# Allegro board pc065a_toplevel_16_allplaced.brd (continued)
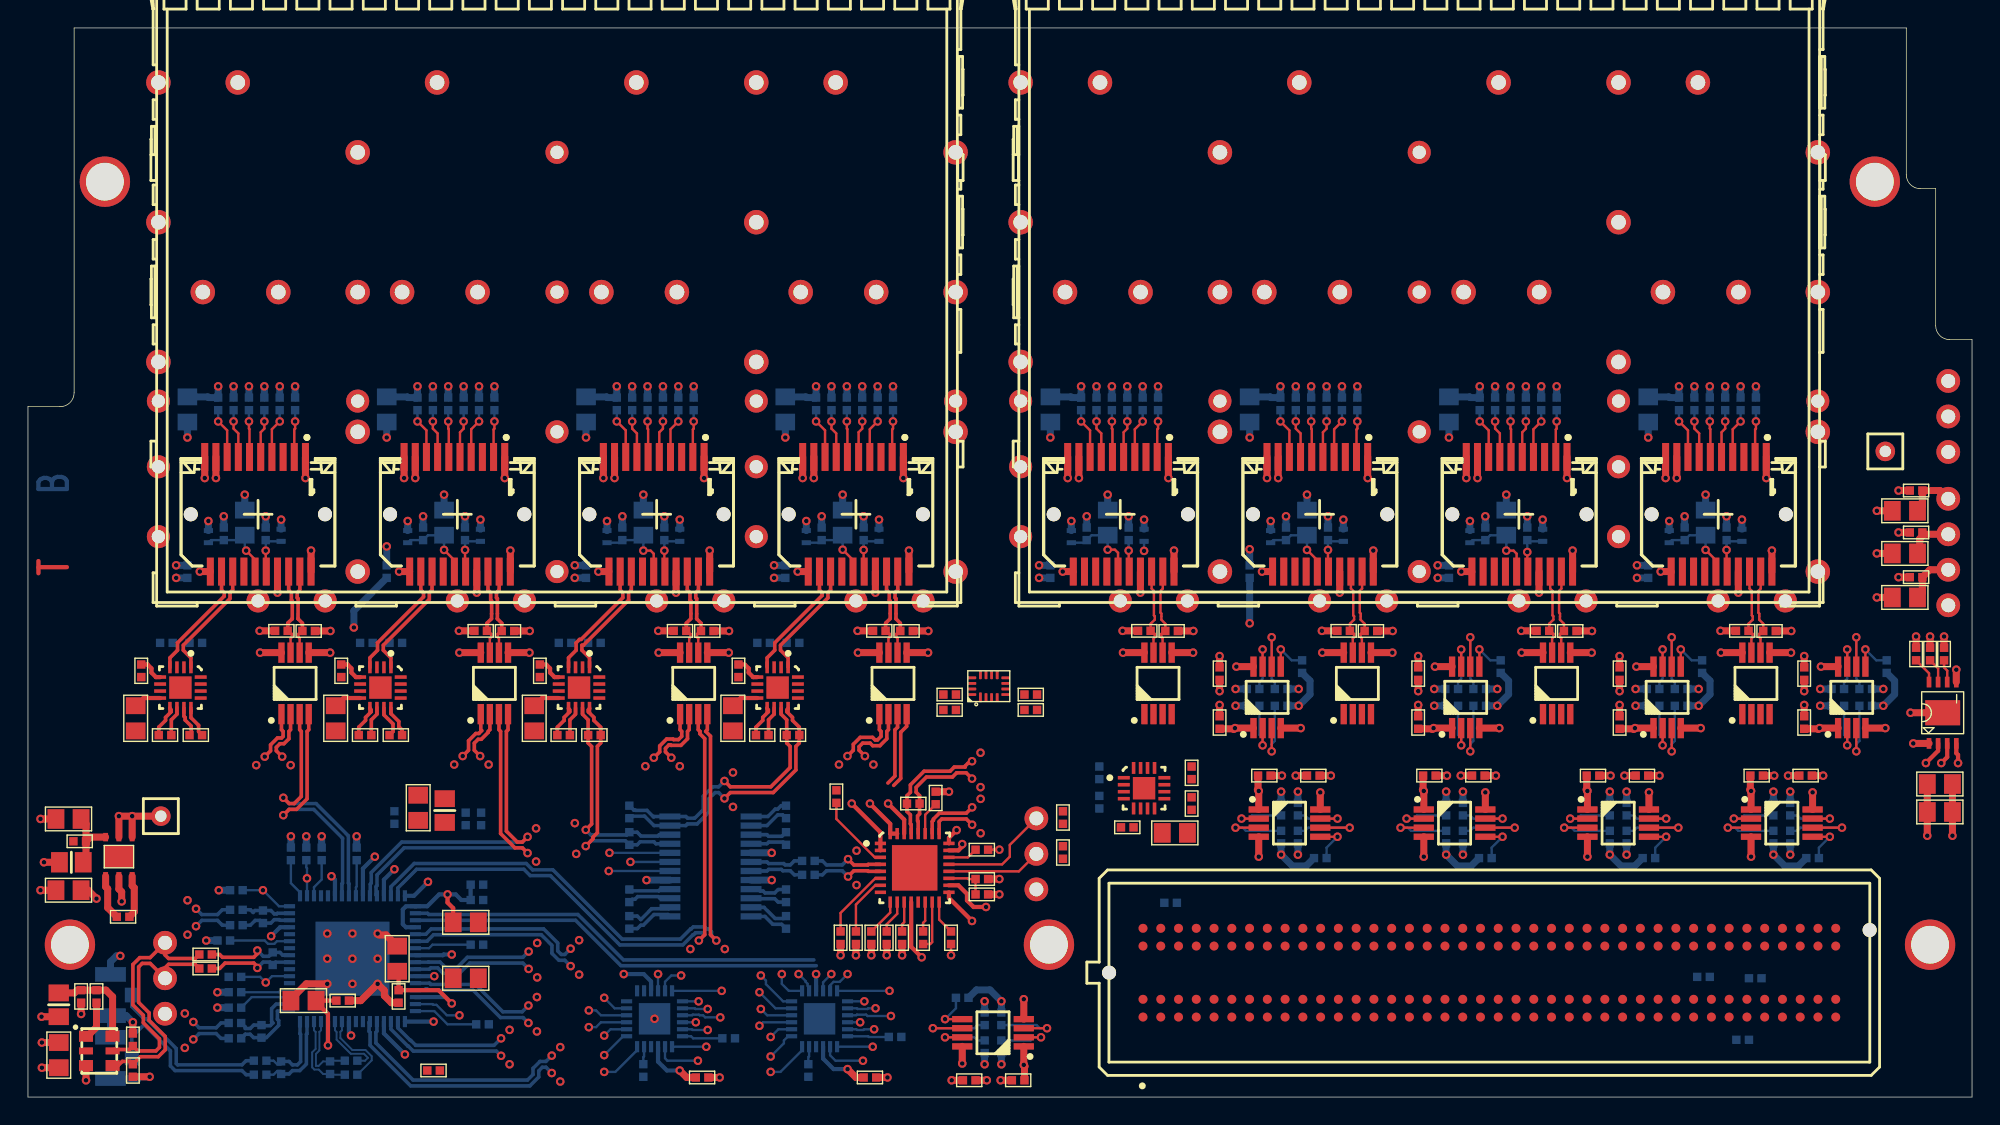
[diagram p0: board, top side]
## Routing (per net, layer and track width the routed paths; a pad name or vN(x,y) marks a point on that pad's centre or on a via; arc(x,y) is an arc through that point) (continued)
  BOTTOM w0.254: IC3.50 26.45,4.94 27.34,4.06 27.37,4.06 27.72,3.7 33.33,3.7 v1(33.83,4.2)
CLK_MAIN_N<8>: length 16.2
  BOTTOM w0.254: v1(37.45,2.97) 37.03,2.55 36.61,2.55 36.11,2.05 36.11,1.61 35.71,1.21 27.53,1.21 24.88,3.87 24.88,4.63 24.95,4.7 IC3.53
CLK_MAIN_P<0>: length 17.7
  TOP w0.254: U3.3 19.43,26.29 19.54,26.17 19.54,21.51 19.03,21 18.67,21 v1(18.26,21.42)
  BOTTOM w0.254: IC3.24 22.95,15.27 22.91,15.31 22.91,18.69 20.6,21 18.67,21 v1(18.26,21.42)
CLK_MAIN_P<1>: length 24.4
  TOP w0.254: v1(35.72,17.46) 35.35,17.83 34.82,17.83 33.79,18.86 33.79,26.17 33.67,26.29 U4.3
  BOTTOM w0.254: IC3.28 24.89,14.46 24.89,15.06 24.96,15.13 24.96,15.89 26.89,17.83 35.35,17.83 v1(35.72,17.46)
CLK_MAIN_P<2>: length 42.9
  TOP w0.254: 47.92,27.4 47.92,26.29 48.04,26.17 48.04,26.17 48.04,26 48.39,25.65 48.39,11.62 v1(47.97,11.2)
  BOTTOM w0.254: IC3.31 26.45,14.96 27.79,16.3 35.46,16.3 35.91,15.84 37.36,15.84 42.31,10.89 46.82,10.89 47.55,11.62 47.6,11.62 47.74,11.76 48.2,11.76 48.34,11.62 48.39,11.62 v1(47.97,11.2)
CLK_MAIN_P<3>: length 35.2
  TOP w0.254: U6.3 62.17,26.46 61.99,26.27 61.99,22.97 61.49,22.47
  BOTTOM w0.254: 56.36,9.4 42.4,9.4 39.15,12.65 IC3.35
CLK_MAIN_P<4>: length 12.6
  BOTTOM w0.254: v1(38.8,9.37) 38.38,9.79 37.96,9.79 37.46,10.28 37.46,10.85 36.7,11.62 29,11.62 28.54,11.15 IC3.38
CLK_MAIN_P<5>: length 8.8
  BOTTOM w0.254: IC3.42 28.71,9.15 28.8,9.24 29.3,9.24 29.68,8.86 30.86,8.86 31.59,9.59 35.38,9.59 v1(35.8,9.17)
CLK_MAIN_P<6>: length 9.1
  BOTTOM w0.254: v1(35.78,5.3) 35.4,5.69 33.79,5.69 31.83,7.64 28.63,7.64 28.54,7.74 28.44,7.74 28.35,7.65 IC3.45
CLK_MAIN_P<7>: length 9.2
  BOTTOM w0.254: IC3.51 25.95,4.86 27.17,3.64 27.2,3.64 27.55,3.29 33.49,3.29 v1(33.83,2.95)
CLK_MAIN_P<8>: length 16.9
  BOTTOM w0.254: v1(37.45,1.72) 37.03,2.13 36.78,2.13 36.52,1.88 36.52,1.44 35.89,0.8 27.36,0.8 24.46,3.7 24.46,4.63 24.39,4.7 24.39,5.34 IC3.54
CLK_RST_B: length 6
  BOTTOM w0.17: IC23.1 42.55,4.35 v1(41.2,3) ; IC3.6 17.45,8.65 v1(17,8.2) 16.6,8.6 R9.2
CLK_SI_N<0>: length 5.8
  BOTTOM w0.17: R13.2 18.1,2.37 18.07,2.34 17.83,2.34 17.56,2.6 C22.1
  BOTTOM w0.254: R13.2 18.66,2.55 18.91,2.31 19.27,2.31 19.49,2.53 19.49,4.49 19.45,4.54 IC3.64
CLK_SI_N<1>: length 5.2
  BOTTOM w0.254: IC3.2 17.75,6.65 17.42,6.32 17.42,5.39 17.51,5.3 17.32,5.11 16.74,5.11 R14.2 16.13,5.15 15.89,4.91 15.53,4.91 15.53,5.02 C24.1
CLK_SI_N<2>: length 3.6
  BOTTOM w0.254: IC3.15 17.84,13.15 17.79,13.11 17.61,13.11 17.37,13.35 R15.2 16.23,13.35 16.09,13.21 15.9,13.4 C26.1
CLK_SI_N<3>: length 6
  BOTTOM w0.14: IC3.62 20.45,4.78 20.57,4.66 20.57,3.45 20.32,3.2 20.32,2.12 20.48,1.96 20.79,1.96 21.1,1.65 R16.2 21.65,1.6 C28.1
CLK_SI_P<0>: length 6.5
  BOTTOM w0.17: C21.1 17.56,1.6 17.83,1.87 18.07,1.87 18.1,1.83 R13.1
  BOTTOM w0.254: R13.1 18.66,1.65 18.91,1.89 19.44,1.89 19.91,2.36 19.91,4.49 19.95,4.54 IC3.63
CLK_SI_P<1>: length 5.2
  BOTTOM w0.254: C23.1 15.53,4.48 15.53,4.49 15.89,4.49 16.13,4.25 R14.1 17.05,4.25 17.93,5.13 17.93,5.47 17.84,5.57 17.84,6.15 IC3.1
CLK_SI_P<2>: length 3.7
  BOTTOM w0.254: IC3.14 18.01,12.65 17.97,12.69 17.61,12.69 17.37,12.45 R15.1 16.71,12.54 16.61,12.64 16.25,12.64 15.9,12.3 C25.1
CLK_SI_P<3>: length 5.5
  BOTTOM w0.14: C27.1 21.65,2.6 R16.1 21.1,2.55 20.79,2.24 20.59,2.24 20.59,3.09 20.84,3.33 20.84,4.66 20.95,4.78 IC3.61
FMC_LA_N<1>: length 4.2
  TOP w0.17: IC14.2 v1(98.57,19.93)
  BOTTOM w0.17: v1(98.57,19.93) 99.09,19.93 99.31,20.15 R142.1
FMC_LA_N<2>: length 3.8
  TOP w0.254: v1(18.17,24.36) 17.76,24.77 17.76,25.03 18.01,25.28 18.3,25.28 18.66,25.64 18.66,26.17 18.77,26.29 U3.2
FMC_LA_N<3>: length 2.4
  TOP w0.254: R61.1 9.35,26.46 9.84,26.95 9.84,27.17 10.24,27.57 10.24,27.71 10.15,27.79 IC4.9
FMC_LA_N<4>: length 3.8
  TOP w0.254: 33.02,27.4 33.02,26.29 32.91,26.17 32.91,26.1 32.41,25.6 32.19,25.6 31.91,25.32 31.91,24.82 v1(32.33,24.4)
FMC_LA_N<5>: length 4.2
  TOP w0.17: IC16.2 v1(121.97,19.93)
  BOTTOM w0.17: R152.1 122.71,20.15 122.49,19.93 v1(121.97,19.93)
FMC_LA_N<6>: length 4.2
  TOP w0.17: IC12.2 v1(86.77,19.93)
  BOTTOM w0.17: v1(86.77,19.93) 87.29,19.93 87.51,20.15 R137.1
FMC_LA_N<7>: length 4.5
  TOP w0.254: v1(46,24.28) 45.58,24.7 45.58,24.95 45.84,25.21 45.94,25.21 45.98,25.16 46.68,25.16 47.16,25.64 47.16,26.17 47.27,26.29 U5.2
FMC_LA_N<9>: length 4.2
  TOP w0.17: IC18.2 v1(102.47,25.17)
  BOTTOM w0.17: R162.1 102.25,25.91 102.47,25.69 v1(102.47,25.17)
FMC_LA_N<10>: length 4.2
  TOP w0.17: IC15.2 v1(110.27,19.93)
  BOTTOM w0.17: R147.1 111.01,20.15 110.79,19.93 v1(110.27,19.93)
FMC_LA_N<11>: length 5
  TOP w0.254: v1(59.84,24.4) 59.42,24.82 59.42,25.07 59.68,25.32 60.22,25.32 60.4,25.14 60.91,25.14 61.41,25.64 61.41,26.17 61.52,26.29 U6.2
FMC_LA_N<13>: length 4.2
  TOP w0.17: IC20.2 v1(130.07,25.17)
  BOTTOM w0.17: R172.1 129.85,25.91 130.07,25.69 v1(130.07,25.17)
FMC_LA_N<14>: length 4.2
  TOP w0.17: 88.28,26.4 v1(88.28,25.17)
  BOTTOM w0.17: R157.1 88.05,25.91 88.28,25.69 v1(88.28,25.17)
FMC_LA_N<18>: length 4.2
  TOP w0.17: IC19.2 v1(116.88,25.17)
  BOTTOM w0.17: R167.1 116.65,25.91 116.88,25.69 v1(116.88,25.17)
FMC_LA_N<28>: length 2.4
  TOP w0.254: R65.1 23.65,26.46 24.14,26.95 24.14,27.17 24.54,27.57 24.54,27.71 24.45,27.79 IC5.9
FMC_LA_N<30>: length 2.4
  TOP w0.254: R69.1 37.85,26.46 38.34,26.95 38.34,27.17 38.74,27.57 38.74,27.71 38.65,27.79 IC6.9
FMC_LA_N<32>: length 2.4
  TOP w0.254: IC7.9 52.85,27.79 52.94,27.71 52.94,27.57 52.54,27.17 52.54,26.95 52.05,26.46 R73.1
FMC_LA_P<1>: length 5
  TOP w0.17: IC14.3 v1(98.14,19.27)
  BOTTOM w0.17: R141.1 98.88,19.05 98.66,19.27 v1(98.14,19.27)
FMC_LA_P<2>: length 3.8
  TOP w0.254: v1(16.93,24.36) 17.34,24.77 17.34,25.2 17.84,25.7 18.13,25.7 18.24,25.81 18.24,26.17 18.12,26.29 18.12,27.4
FMC_LA_P<3>: length 2.1
  TOP w0.254: IC4.10 10.65,27.39 10.25,26.99 R61.2
FMC_LA_P<4>: length 3.7
  TOP w0.254: v1(31.08,24.4) 31.5,24.82 31.5,25.5 32.02,26.01 32.24,26.01 32.44,26.22 32.38,26.29 U4.1
FMC_LA_P<5>: length 5
  TOP w0.17: IC16.3 v1(121.54,19.27)
  BOTTOM w0.17: R151.1 122.28,19.05 122.06,19.27 v1(121.54,19.27)
FMC_LA_P<6>: length 5
  TOP w0.17: IC12.3 v1(86.34,19.27)
  BOTTOM w0.17: R136.1 87.08,19.05 86.86,19.27 v1(86.34,19.27)
FMC_LA_P<7>: length 4.5
  TOP w0.254: v1(44.75,24.28) 45.17,24.7 45.17,25.12 45.66,25.62 46.11,25.62 46.15,25.58 46.51,25.58 46.74,25.81 46.74,26.17 46.62,26.29 U5.1
FMC_LA_P<9>: length 5
  TOP w0.17: IC18.3 v1(103.12,24.74)
  BOTTOM w0.17: R161.1 103.35,25.48 103.12,25.26 v1(103.12,24.74)
FMC_LA_P<10>: length 5
  TOP w0.17: IC15.3 v1(109.84,19.27)
  BOTTOM w0.17: v1(109.84,19.27) 110.36,19.27 110.58,19.05 R146.1
FMC_LA_P<11>: length 5
  TOP w0.254: v1(58.59,24.4) 59.01,24.82 59.01,25.24 59.51,25.74 60.39,25.74 60.57,25.55 60.74,25.55 60.99,25.81 60.99,26.17 60.88,26.29 U6.1
FMC_LA_P<13>: length 5
  TOP w0.17: 130.72,26.4 v1(130.72,24.74)
  BOTTOM w0.17: R171.1 130.95,25.48 130.72,25.26 v1(130.72,24.74)
FMC_LA_P<14>: length 5
  TOP w0.17: IC17.3 v1(88.92,24.74)
  BOTTOM w0.17: R156.1 89.15,25.48 88.92,25.26 v1(88.92,24.74)
FMC_LA_P<18>: length 5
  TOP w0.17: IC19.3 v1(117.53,24.74)
  BOTTOM w0.17: v1(117.53,24.74) 117.53,25.26 117.75,25.48 R166.1
FMC_LA_P<28>: length 2.1
  TOP w0.254: R65.2 24.55,26.99 24.95,27.39 IC5.10
FMC_LA_P<30>: length 2.1
  TOP w0.254: R69.2 38.75,26.99 39.15,27.39 IC6.10
FMC_LA_P<32>: length 2.1
  TOP w0.254: R73.2 52.95,26.99 53.35,27.39 IC7.10
I2C_SCL: length 19.7
  TOP w0.17: IC9.20 70.85,16.15 J1.2 ; IC11.7 v1(65.57,4.28)
  BOTTOM w0.17: IC23.19 v1(48.5,3.6) ; v1(65.57,4.28) 67.66,4.28 67.89,4.05 R135.1 ; IC10.19 v1(60.4,3.6) ; IC3.16 17.95,13.65 v1(16.8,14.8) R7.2
I2C_SCL_CVCC: length 4.2
  TOP w0.17: IC11.2 v1(72.43,4.28)
  BOTTOM w0.17: v1(72.43,4.28) 71.91,4.28 71.69,4.05 R132.1
I2C_SDA: length 22.9
  TOP w0.17: J1.3 70.2,18.04 70.2,17.2 69.65,16.65 IC9.21 ; IC11.6 v1(64.7,4.93)
  BOTTOM w0.17: IC3.18 v1(19.95,15.65) 19.95,16.39 19.9,16.44 R8.2 ; R134.1 67.89,5.15 67.66,4.93 v1(64.7,4.93) ; v1(59.7,2.6) 57.74,2.6 57.35,2.99 IC10.20 ; IC23.20 45.55,2.77 45.72,2.6 v1(47.9,2.6)
I2C_SDA_CVCC: length 5
  TOP w0.17: IC11.3 v1(72.86,4.93)
  BOTTOM w0.17: R131.1 72.12,5.15 72.34,4.93 v1(72.86,4.93)
MOD_ABS: length 3.4
  TOP w0.17: J7.6 15.84,47.79 15.8,47.83 v1(15.8,48.35)
  BOTTOM w0.17: R26.1 v1(15.8,48.35)
MOD_ABS_1: length 3.4
  TOP w0.17: v1(30.05,48.35) 30.05,47.83 30.09,47.79 J12.6
  BOTTOM w0.17: R38.1 v1(30.05,48.35)
MOD_ABS_2: length 3.4
  TOP w0.17: J16.6 44.34,47.79 44.3,47.83 v1(44.3,48.35)
  BOTTOM w0.17: R46.1 v1(44.3,48.35)
MOD_ABS_3: length 3.4
  TOP w0.17: J20.6 58.59,47.79 58.55,47.83 v1(58.55,48.35)
  BOTTOM w0.17: R54.1 v1(58.55,48.35)
MOD_ABS_4: length 3.4
  TOP w0.17: J24.6 120.29,47.79 120.25,47.83 v1(120.25,48.35)
  BOTTOM w0.17: R103.1 v1(120.25,48.35)
MOD_ABS_5: length 3.4
  TOP w0.17: v1(106,48.35) 106,47.83 106.04,47.79 J28.6
  BOTTOM w0.17: R111.1 v1(106,48.35)
MOD_ABS_6: length 3.4
  TOP w0.17: v1(91.75,48.35) 91.75,47.83 91.79,47.79 J32.6
  BOTTOM w0.17: R119.1 v1(91.75,48.35)
MOD_ABS_7: length 3.4
  TOP w0.17: J36.6 77.54,47.79 77.5,47.83 v1(77.5,48.35)
  BOTTOM w0.17: R127.1 v1(77.5,48.35)
MUX_OUT_N: length 3.9
  BOTTOM w0.254: 51.7,16.18 52.84,16.18 52.96,16.29 53.87,16.29 53.97,16.19 54.5,16.19 54.8,15.9 C55.1
MUX_OUT_P: length 3.9
  BOTTOM w0.254: IC8.18 52.84,16.82 52.96,16.71 54.04,16.71 54.14,16.61 54.5,16.61 54.8,16.9 C56.1
MUX_SEL<0>: length 4.4
  BOTTOM w0.17: 45.9,16.18 v1(41.52,16.18)
MUX_SEL<1>: length 2.8
  BOTTOM w0.17: IC8.7 v1(43.08,16.82)
MUX_SEL<2>: length 4.3
  BOTTOM w0.17: 45.9,17.48 v1(41.58,17.48)
OSC_N: length 17
  TOP w0.254: C30.2 11.96,9.91 10.05,9.91 9.8,10.17 J5.3 8.74,9.98 8,9.98 7.5,9.48 7.5,6.6 8.25,5.85 8.25,5.32 9.4,4.17 9.4,3.55 9.15,3.3 7.85,3.3 R4.2 7.25,3.4 6.15,3.4 QZ1.5
OSC_P: length 17
  TOP w0.254: QZ1.4 6.44,2.25 6.74,2.55 7.3,2.55 R5.2 8.04,2.89 9.32,2.89 9.81,3.38 9.81,4.34 8.66,5.49 8.66,6.02 7.91,6.77 7.91,9.31 8.17,9.56 8.74,9.56 J5.2 9.8,9.25 10.05,9.5 11.95,9.5 C29.2
POWER_GOOD: length 1.8
  TOP w0.17: U11.7 136.57,30.67 R182.2
RD_BUF_N<0>: length 8.5
  TOP w0.254: IC4.4 10.15,31.43 10.69,31.97 10.69,32.5 14.03,35.84 14.03,36.09 13.84,36.29 J7.12
RD_BUF_N<1>: length 8.5
  TOP w0.254: J12.12 28.09,36.29 28.28,36.09 28.28,35.79 24.99,32.5 24.99,31.97 24.45,31.43 IC5.4
RD_BUF_N<2>: length 8.6
  TOP w0.254: J16.12 42.34,36.29 42.53,36.09 42.53,35.73 39.55,32.75 39.44,32.75 39.19,32.5 39.19,31.97 38.65,31.43 IC6.4
RD_BUF_N<3>: length 8.6
  TOP w0.254: IC7.4 52.85,31.43 53.39,31.97 53.39,32.5 56.78,35.89 56.78,36.09 56.59,36.29 J20.12
RD_BUF_P<0>: length 8.5
  TOP w0.254: IC4.1 11.65,31.43 11.11,31.97 11.11,32.33 14.45,35.67 14.45,36.09 14.64,36.29 J7.13
RD_BUF_P<1>: length 8.5
  TOP w0.254: IC5.1 25.95,31.43 25.41,31.97 25.41,32.33 28.7,35.62 28.7,36.09 28.89,36.29 J12.13
RD_BUF_P<2>: length 8.6
  TOP w0.254: J16.13 43.14,36.29 42.95,36.09 42.95,35.56 39.72,32.33 39.61,32.33 39.61,31.97 40.15,31.43 IC6.1
RD_BUF_P<3>: length 8.6
  TOP w0.254: J20.13 57.39,36.29 57.2,36.09 57.2,35.72 53.81,32.33 53.81,31.97 54.35,31.43 IC7.1
RD_MUX_N<0>: length 5.6
  TOP w0.254: IC4.11 11.15,27.25 11.24,27.16 11.24,26.98 11.67,26.54 11.67,26.02 R60.1
  BOTTOM w0.254: R74.2 43.56,12.95 43.81,12.71 43.82,12.71 44.59,13.48 45.8,13.48 IC8.2
RD_MUX_N<1>: length 5.3
  TOP w0.254: IC5.11 25.45,27.35 26.1,26.7 26.1,26.15 R64.1
  BOTTOM w0.254: 45.9,14.88 45.22,14.88 45.1,14.76 43.09,14.76 R75.2
RD_MUX_N<2>: length 15.6
  TOP w0.254: v1(39.88,19.12) 40.3,19.54 40.3,25.08 40.05,25.34 R68.1 40.05,26.99 39.65,27.39 IC6.11
  BOTTOM w0.254: v1(39.88,19.12) 40.25,18.75 42.8,18.75 R76.2 43.55,18.95 43.83,18.68 45.04,18.68 45.14,18.77 IC8.10
RD_MUX_N<3>: length 18.8
  TOP w0.254: v1(49.8,22.62) 50.22,22.2 53.11,22.2 54.49,23.58 54.49,25.09 54.25,25.34 R72.1 54.25,26.99 53.85,27.39 IC7.11
  BOTTOM w0.254: v1(49.8,22.62) 49.38,22.2 48.96,22.2 48.29,21.53 48.29,20.57 47.67,19.96 47.16,19.96 47.04,20.08 IC8.12 44.76,20.08 44.73,20.04 44.26,20.51 43.44,20.51 43.42,20.54 43.31,20.54 R77.2
RD_MUX_N<4>: length 2.8
  BOTTOM w0.254: R78.2 53.85,20.85 53.6,20.6 53.43,20.6 52.9,20.08 IC8.13
RD_MUX_N<5>: length 2.7
  BOTTOM w0.254: R79.2 53.91,18.66 52.96,18.66 52.84,18.77 IC8.15
RD_MUX_N<6>: length 2.7
  BOTTOM w0.254: R80.2 53.63,14.85 53.39,14.61 52.7,14.61 52.57,14.74 52.36,14.74 52.23,14.88 51.7,14.88
RD_MUX_N<7>: length 2.9
  BOTTOM w0.254: IC8.23 52.63,13.57 53.42,12.78 54.03,12.78 R81.2
RD_MUX_P<0>: length 5.7
  TOP w0.254: R60.2 12.2,26.15 12.2,26.6 11.65,27.15 11.65,27.63 11.65,27.64 IC4.12
  BOTTOM w0.254: R74.1 43.56,12.05 43.81,12.29 43.99,12.29 44.76,13.06 45.76,13.06 IC8.1
RD_MUX_P<1>: length 5.4
  TOP w0.254: IC5.12 25.95,27.44 26.51,26.87 26.51,26.5 26.75,26.27 R64.2
  BOTTOM w0.254: R75.1 43.2,14.15 43.4,14.15 43.59,14.34 45.07,14.34 45.19,14.23 IC8.3
RD_MUX_P<2>: length 17.2
  TOP w0.254: v1(39.88,17.96) 40.39,18.47 40.39,18.59 40.71,18.91 40.71,25.1 40.95,25.34 R68.2 40.95,26.46 40.46,26.95 40.46,27.17 40.06,27.57 40.06,27.71 40.15,27.79 IC6.12
  BOTTOM w0.254: v1(39.88,17.96) 40.26,18.34 42.71,18.34 R76.1 43.55,18.05 43.77,18.26 44.76,18.26 44.9,18.12 IC8.9
RD_MUX_P<3>: length 19.7
  TOP w0.254: v1(49.8,21.37) 50.22,21.79 53.29,21.79 54.91,23.41 54.91,25.09 55.15,25.34 R72.2 55.15,26.46 54.66,26.95 54.66,27.17 54.26,27.57 54.26,27.71 54.35,27.79 IC7.12
  BOTTOM w0.254: v1(49.8,21.37) 49.38,21.79 49.13,21.79 48.7,21.36 48.7,20.4 47.84,19.54 47.16,19.54 47.04,19.43 IC8.11 44.76,19.43 44.09,20.1 43.15,20.1 R77.1
RD_MUX_P<4>: length 2.9
  BOTTOM w0.254: R78.1 53.96,20.19 53.6,20.19 52.84,19.43 IC8.14
RD_MUX_P<5>: length 2.6
  BOTTOM w0.254: R79.1 54.01,18.24 52.96,18.24 52.84,18.12 IC8.16
RD_MUX_P<6>: length 2.6
  BOTTOM w0.254: IC8.22 51.73,14.19 53.39,14.19 53.63,13.95 R80.1
RD_MUX_P<7>: length 2.9
  BOTTOM w0.254: IC8.24 52.69,12.93 53.25,12.36 53.89,12.36 R81.1
RST_I2C_B: length 6.4
  BOTTOM w0.17: IC23.24 43.55,3.35 42,1.8 v1(41.2,1.8) ; IC10.24 55.35,3.35 53.8,1.8 v1(53.1,1.8)
SFP_FAULT<0>: length 4.8
  TOP w0.17: v1(19.1,48.35) 19.1,47.83 19.04,47.77 J7.2
  BOTTOM w0.17: v1(57.44,8.8) 56.85,8.21 IC10.10 ; R24.2 v1(19.1,48.35)
SFP_FAULT<1>: length 5.4
  TOP w0.17: v1(33.35,48.35) 33.35,47.83 33.29,47.77 J12.2
  BOTTOM w0.17: IC10.11 57.35,8 57.6,8.25 58.05,8.25 v1(58.6,8.8) ; R36.2 v1(33.35,48.35)
SFP_FAULT<2>: length 7.1
  TOP w0.17: J16.2 47.54,47.77 47.6,47.83 v1(47.6,48.35)
  BOTTOM w0.17: R44.2 v1(47.6,48.35) ; IC10.12 v1(61.6,7.6)
SFP_FAULT<3>: length 4.6
  TOP w0.17: J20.2 61.79,47.77 61.85,47.83 v1(61.85,48.35)
  BOTTOM w0.17: IC10.13 v1(59.8,6.85) ; R52.2 v1(61.85,48.35)
SFP_FAULT<4>: length 5.4
  TOP w0.17: J36.2 80.74,47.77 80.8,47.83 v1(80.8,48.35)
  BOTTOM w0.17: R125.2 v1(80.8,48.35) ; IC10.14 59.27,6.35 59.32,6.3 60.03,6.3 60.08,6.35 v1(60.6,6.35)
SFP_FAULT<5>: length 6.5
  TOP w0.17: v1(95.05,48.35) 95.05,47.83 94.99,47.77 J32.2
  BOTTOM w0.17: IC10.15 59.22,5.85 59.27,5.9 59.92,5.9 60.02,5.8 v1(61.7,5.8) ; R117.2 v1(95.05,48.35)
SFP_FAULT<6>: length 4.3
  TOP w0.17: v1(109.3,48.35) 109.3,47.83 109.24,47.77 J28.2
  BOTTOM w0.17: R109.2 v1(109.3,48.35) ; IC10.16 v1(59.5,5.35)
SFP_FAULT<7>: length 5.3
  TOP w0.17: v1(123.55,48.35) 123.55,47.83 123.49,47.77 J24.2
  BOTTOM w0.17: v1(60.5,4.85) 59.78,4.85 59.73,4.8 59.27,4.8 59.22,4.85 IC10.17 ; R101.2 v1(123.55,48.35)
SFP_I2C_SCL<0>: length 7.6
  TOP w0.17: v1(16.9,48.35) 16.9,47.83 16.64,47.57 J7.5 ; IC12.7 v1(93.63,19.93)
  BOTTOM w0.17: R140.1 91.31,20.15 91.54,19.93 v1(93.63,19.93) ; R27.1 v1(16.9,48.35)
SFP_I2C_SCL<1>: length 7.6
  TOP w0.17: v1(31.15,48.35) 31.15,47.83 30.89,47.57 J12.5 ; IC14.7 v1(105.43,19.93)
  BOTTOM w0.17: v1(105.43,19.93) 103.34,19.93 103.11,20.15 R145.1 ; R39.1 v1(31.15,48.35)
SFP_I2C_SCL<2>: length 7.6
  TOP w0.17: v1(45.4,48.35) 45.4,47.83 45.14,47.57 J16.5 ; IC15.7 v1(117.13,19.93)
  BOTTOM w0.17: R47.1 v1(45.4,48.35) ; v1(117.13,19.93) 115.04,19.93 114.81,20.15 R150.1
SFP_I2C_SCL<3>: length 7.6
  TOP w0.17: IC16.7 v1(128.83,19.93) ; v1(59.65,48.35) 59.65,47.83 59.39,47.57 J20.5
  BOTTOM w0.17: v1(128.83,19.93) 126.74,19.93 126.51,20.15 R155.1 ; R55.1 v1(59.65,48.35)
SFP_I2C_SCL<4>: length 7.6
  TOP w0.17: J36.5 78.34,47.57 78.6,47.83 v1(78.6,48.35) ; 88.28,30.8 v1(88.28,32.03)
  BOTTOM w0.17: v1(88.28,32.03) 88.28,29.94 88.05,29.71 R160.1 ; R128.1 v1(78.6,48.35)
SFP_I2C_SCL<5>: length 7.6
  TOP w0.17: IC18.7 v1(102.47,32.03) ; v1(92.85,48.35) 92.85,47.83 92.59,47.57 J32.5
  BOTTOM w0.17: v1(102.47,32.03) 102.47,29.94 102.25,29.71 R165.1 ; R120.1 v1(92.85,48.35)
SFP_I2C_SCL<6>: length 7.6
  TOP w0.17: IC19.7 v1(116.88,32.03) ; J28.5 106.84,47.57 107.1,47.83 v1(107.1,48.35)
  BOTTOM w0.17: R112.1 v1(107.1,48.35) ; v1(116.88,32.03) 116.88,29.94 116.65,29.71 R170.1
SFP_I2C_SCL<7>: length 7.6
  TOP w0.17: J24.5 121.09,47.57 121.35,47.83 v1(121.35,48.35) ; IC20.7 v1(130.07,32.03)
  BOTTOM w0.17: R175.1 129.85,29.71 130.07,29.94 v1(130.07,32.03) ; R104.1 v1(121.35,48.35)
SFP_I2C_SDA<0>: length 9.5
  TOP w0.17: v1(18,48.35) 17.44,47.79 J7.4 ; IC12.6 v1(94.5,19.27)
  BOTTOM w0.17: R28.1 v1(18,48.35) ; R139.1 91.31,19.05 91.54,19.27 v1(94.5,19.27)
SFP_I2C_SDA<1>: length 9.5
  TOP w0.17: IC14.6 v1(106.3,19.27) ; v1(32.25,48.35) 31.69,47.79 J12.4
  BOTTOM w0.17: R144.1 103.11,19.05 103.34,19.27 v1(106.3,19.27) ; R40.1 v1(32.25,48.35)
SFP_I2C_SDA<2>: length 9.5
  TOP w0.17: IC15.6 v1(118,19.27) ; J16.4 45.94,47.79 v1(46.5,48.35)
  BOTTOM w0.17: R48.1 v1(46.5,48.35) ; R149.1 114.81,19.05 115.04,19.27 v1(118,19.27)
SFP_I2C_SDA<3>: length 9.5
  TOP w0.17: v1(60.75,48.35) 60.19,47.79 J20.4 ; IC16.6 v1(129.7,19.27)
  BOTTOM w0.17: R56.1 v1(60.75,48.35) ; v1(129.7,19.27) 126.74,19.27 126.51,19.05 R154.1
SFP_I2C_SDA<4>: length 9.5
  TOP w0.17: J36.4 79.14,47.79 v1(79.7,48.35) ; IC17.6 v1(88.92,32.9)
  BOTTOM w0.17: v1(88.92,32.9) 88.92,29.94 89.15,29.71 R159.1 ; R129.1 v1(79.7,48.35)
SFP_I2C_SDA<5>: length 9.5
  TOP w0.17: v1(93.95,48.35) 93.39,47.79 J32.4 ; IC18.6 v1(103.12,32.9)
  BOTTOM w0.17: v1(103.12,32.9) 103.12,29.94 103.35,29.71 R164.1 ; R121.1 v1(93.95,48.35)
SFP_I2C_SDA<6>: length 9.5
  TOP w0.17: J28.4 107.64,47.79 v1(108.2,48.35) ; IC19.6 v1(117.53,32.9)
  BOTTOM w0.17: R169.1 117.75,29.71 117.53,29.94 v1(117.53,32.9) ; R113.1 v1(108.2,48.35)
SFP_I2C_SDA<7>: length 9.5
  TOP w0.17: J24.4 121.89,47.79 v1(122.45,48.35) ; 130.72,30.8 v1(130.72,32.9)
  BOTTOM w0.17: R174.1 130.95,29.71 130.72,29.94 v1(130.72,32.9) ; R105.1 v1(122.45,48.35)
SFP_LOS<0>: length 4.8
  TOP w0.17: v1(13.6,48.35) 14.24,47.71 J7.8
  BOTTOM w0.17: R25.2 v1(13.6,48.35) ; IC23.10 v1(45.05,8.8)
SFP_LOS<1>: length 5.6
  TOP w0.17: v1(27.85,48.35) 28.49,47.71 J12.8
  BOTTOM w0.17: R37.2 v1(27.85,48.35) ; IC23.11 45.55,8.25 46,8.7 v1(46.7,8.7)
SFP_LOS<2>: length 7.2
  TOP w0.17: v1(42.1,48.35) 42.74,47.71 J16.8
  BOTTOM w0.17: IC23.12 v1(49.6,7.6) ; R45.2 v1(42.1,48.35)
SFP_LOS<3>: length 4.8
  TOP w0.17: J20.8 56.99,47.71 v1(56.35,48.35)
  BOTTOM w0.17: IC23.13 v1(47.95,6.85) ; R53.2 v1(56.35,48.35)
SFP_LOS<4>: length 5.4
  TOP w0.17: J36.8 75.94,47.71 v1(75.3,48.35)
  BOTTOM w0.17: R126.2 v1(75.3,48.35) ; v1(48.6,6.3) 47.72,6.3 47.67,6.35 IC23.14
SFP_LOS<5>: length 6.4
  TOP w0.17: v1(89.55,48.35) 90.19,47.71 J32.8
  BOTTOM w0.17: R118.2 v1(89.55,48.35) ; v1(49.5,5.7) 48.42,5.7 48.27,5.85 48.03,5.85 47.98,5.9 47.52,5.9 47.47,5.85 IC23.15
SFP_LOS<6>: length 4.6
  TOP w0.17: J28.8 104.44,47.71 v1(103.8,48.35)
  BOTTOM w0.17: R110.2 v1(103.8,48.35) ; IC23.16 v1(47.75,5.35)
SFP_LOS<7>: length 5.4
  TOP w0.17: J24.8 118.69,47.71 v1(118.05,48.35)
  BOTTOM w0.17: v1(48.6,4.8) 47.52,4.8 47.47,4.85 IC23.17 ; R102.2 v1(118.05,48.35)
SFP_TD_N: length 6.2
  TOP w0.17: U3.6 19.43,32.82 19.34,32.91 19.34,33.15 19.42,33.15 R23.1
  TOP w0.254: J7.19 19.44,36.29 19.25,36.09 19.25,35.73 19.31,35.67 19.31,34.23 19.31,34.23 19.63,33.9 R23.1
SFP_TD_N_1: length 6.2
  TOP w0.17: R35.1 33.67,33.15 33.59,33.15 33.59,32.91 33.67,32.82 U4.6
  TOP w0.254: R35.1 33.88,33.9 33.56,34.23 33.56,34.59 33.56,35.67 33.5,35.73 33.5,36.09 33.69,36.29 J12.19
SFP_TD_N_2: length 6.2
  TOP w0.17: 47.92,31.8 47.92,32.82 47.84,32.91 47.84,33.15 47.92,33.15 R43.1
  TOP w0.254: J16.19 47.94,36.29 47.75,36.09 47.75,35.73 47.81,35.67 47.81,34.59 47.81,34.23 48.13,33.9 R43.1
SFP_TD_N_3: length 6.2
  TOP w0.17: U6.6 62.17,32.82 62.09,32.91 62.09,33.15 62.17,33.15 R51.1
  TOP w0.254: J20.19 62.19,36.29 62,36.09 62,35.73 62.06,35.67 62.06,34.59 62.06,34.23 62.38,33.9 R51.1
SFP_TD_N_4: length 6.2
  TOP w0.17: J24.19 123.89,36.38 123.72,36.22 123.72,34.66 123.79,34.59 123.79,34.15 124.08,33.86 R100.1 123.87,33.15 123.78,33.15 123.78,32.91 123.88,32.82 U7.6
SFP_TD_N_5: length 6.2
  TOP w0.17: J28.19 109.64,36.38 109.47,36.22 109.47,34.66 109.54,34.59 109.54,34.15 109.83,33.86 R108.1 109.62,33.15 109.53,33.15 109.53,32.91 109.62,32.82 U8.6
SFP_TD_N_6: length 6.2
  TOP w0.17: U9.6 95.38,32.82 95.28,32.91 95.28,33.15 95.37,33.15 R116.1 95.58,33.86 95.29,34.15 95.29,34.59 95.22,34.66 95.22,36.22 95.39,36.38 J32.19
SFP_TD_N_7: length 6.2
  TOP w0.17: U10.6 81.12,32.82 81.03,32.91 81.03,33.15 81.12,33.15 R124.1 81.33,33.86 81.04,34.15 81.04,34.59 80.97,34.66 80.97,36.22 81.14,36.38 J36.19
SFP_TD_P: length 6.3
  TOP w0.17: R22.1 18.78,33.15 18.87,33.15 18.87,32.91 18.77,32.82 U3.7
  TOP w0.254: R22.1 18.58,33.91 18.9,34.23 18.9,35.49 18.83,35.56 18.83,36.09 18.64,36.29 J7.18
SFP_TD_P_1: length 6.3
  TOP w0.17: 33.02,31.8 33.02,32.82 33.11,32.91 33.11,33.15 33.03,33.15 R34.1
  TOP w0.254: R34.1 32.83,33.91 33.15,34.23 33.15,34.59 33.15,35.49 33.08,35.56 33.08,36.09 32.89,36.29 J12.18
SFP_TD_P_2: length 6.3
  TOP w0.17: R42.1 47.28,33.15 47.37,33.15 47.37,32.91 47.27,32.82 U5.7
  TOP w0.254: J16.18 47.14,36.29 47.33,36.09 47.33,35.56 47.4,35.49 47.4,34.59 47.4,34.23 47.08,33.91 R42.1
SFP_TD_P_3: length 6.3
  TOP w0.17: U6.7 61.52,32.82 61.62,32.91 61.62,33.15 61.53,33.15 R50.1
  TOP w0.254: J20.18 61.39,36.29 61.58,36.09 61.58,35.56 61.65,35.49 61.65,34.59 61.65,34.23 61.33,33.91 R50.1
SFP_TD_P_4: length 6.2
  TOP w0.17: U7.7 123.22,32.82 123.31,32.91 123.31,33.15 123.23,33.15 R99.1 123.03,33.87 123.32,34.16 123.32,34.4 123.25,34.46 123.25,36.22 123.09,36.38 J24.18
SFP_TD_P_5: length 6.2
  TOP w0.17: J28.18 108.84,36.38 109,36.22 109,34.46 109.07,34.4 109.07,34.16 108.78,33.87 R107.1 108.98,33.15 109.06,33.15 109.06,32.91 108.97,32.82 U8.7
SFP_TD_P_6: length 6.2
  TOP w0.17: J32.18 94.59,36.38 94.75,36.22 94.75,34.46 94.82,34.4 94.82,34.16 94.53,33.87 R115.1 94.73,33.15 94.81,33.15 94.81,32.91 94.72,32.82 U9.7
SFP_TD_P_7: length 6.2
  TOP w0.17: J36.18 80.34,36.38 80.5,36.22 80.5,34.46 80.57,34.4 80.57,34.16 80.28,33.87 R123.1 80.48,33.15 80.56,33.15 80.56,32.91 80.47,32.82 U10.7
SFP_TX_DISABLE<0>: length 2.2
  BOTTOM w0.17: v1(53.1,2.9) 54.05,3.85 54.05,4.05 54.35,4.35 IC10.1
SFP_TX_DISABLE<1>: length 1.7
  BOTTOM w0.17: v1(53.1,4.3) 53.65,4.85 IC10.2
SFP_TX_DISABLE<2>: length 2.4
  BOTTOM w0.17: v1(52.3,5.1) 52.55,5.35 IC10.3
SFP_TX_DISABLE<3>: length 2.4
  BOTTOM w0.17: IC10.4 52.85,5.85 v1(52.4,6.3)
SFP_TX_DISABLE<4>: length 2.8
  BOTTOM w0.17: v1(52.3,7.5) 53.45,6.35 IC10.5
SFP_TX_DISABLE<5>: length 3.1
  BOTTOM w0.17: v1(52.4,8.7) 52.77,8.33 52.77,8.07 53.99,6.85 IC10.6
SFP_TX_DISABLE<6>: length 2.4
  BOTTOM w0.17: IC10.7 54.4,7.6 53.9,8.1 v1(53.9,8.8)
SFP_TX_DISABLE<7>: length 1.5
  BOTTOM w0.17: IC10.8 55.85,7.85 55.74,7.96 55.74,8.1 55.6,8.25 55.6,8.3 v1(55.1,8.8)
UNNAMED_1_CAPCERSMDCL2_I31_B: length 5.7
  TOP w0.17: v1(15.6,39.1) 16.24,38.46 J7.15
  BOTTOM w0.17: v1(15.6,39.1) 15.5,39.2 C34.2 15.15,39.85 C35.2 13.09,39.85 L5.1
UNNAMED_1_CAPCERSMDCL2_I31_B_1: length 5.7
  TOP w0.17: J12.15 30.49,38.41 v1(29.75,39.15)
  BOTTOM w0.17: L7.1 27.34,39.85 C44.2 28.6,40.2 C43.2 v1(29.75,39.15)
UNNAMED_1_CAPCERSMDCL2_I31_B_2: length 6
  TOP w0.17: J16.15 44.74,38.88 44.52,39.1 v1(44,39.1)
  BOTTOM w0.17: v1(44,39.1) C48.2 43.65,39.85 C49.2 42.31,39.66 L9.1
UNNAMED_1_CAPCERSMDCL2_I31_B_3: length 5.7
  TOP w0.17: v1(58.25,39.17) 58.99,38.43 J20.15
  BOTTOM w0.17: L11.1 56.56,39.66 C54.2 57.9,39.85 C53.2 v1(58.25,39.17)
UNNAMED_1_CAPCERSMDCL2_I31_B_4: length 5.7
  TOP w0.17: J24.15 120.69,38.41 v1(119.95,39.15)
  BOTTOM w0.17: L13.1 117.53,39.85 C63.2 118.8,40.2 C62.2 v1(119.95,39.15)
UNNAMED_1_CAPCERSMDCL2_I31_B_5: length 6
  TOP w0.17: v1(105.7,39.1) 106.22,39.1 106.44,38.88 J28.15
  BOTTOM w0.17: L15.1 103.28,39.85 C68.2 104.55,40.2 C67.2 v1(105.7,39.1)
UNNAMED_1_CAPCERSMDCL2_I31_B_6: length 5.7
  TOP w0.17: v1(91.45,39.15) 92.19,38.41 J32.15
  BOTTOM w0.17: L17.1 89.03,39.85 C73.2 90.3,40.2 C72.2 v1(91.45,39.15)
UNNAMED_1_CAPCERSMDCL2_I31_B_7: length 6
  TOP w0.17: v1(77.2,39.17) 77.72,39.17 77.94,38.95 J36.15
  BOTTOM w0.17: v1(77.2,39.17) C77.2 76.05,40.2 C78.2 75.52,39.66 L19.1
UNNAMED_1_CAPCERSMDCL2_I35_B: length 3.4
  TOP w0.17: v1(17,39.1) 17,37.64 J7.16
  BOTTOM w0.17: 18.1,39.77 17.09,39.77 C33.2 v1(17,39.1)
UNNAMED_1_CAPCERSMDCL2_I35_B_1: length 3.4
  TOP w0.17: v1(31.25,39.15) 31.25,37.64 J12.16
  BOTTOM w0.17: v1(31.25,39.15) C42.2 31.34,39.77 32.35,39.77
UNNAMED_1_CAPCERSMDCL2_I35_B_2: length 3.4
  TOP w0.17: J16.16 45.5,37.64 v1(45.5,39.1)
  BOTTOM w0.17: 46.6,39.77 45.59,39.77 C47.2 v1(45.5,39.1)
